# Altium PCB PCB2.PcbDoc (part 2 of 9)
Units mil, origin at the board's own origin, x right, y up, seen from the top; angles counter-clockwise.
Board outline 7580 x 7350 mil, 6 copper layers (Signal 1, Ground 1, 2V5 and 0V6, n2V5 and n0V6, Ground 2, Signal 2), stack 52.268 mil thick; 572 components, 533 nets, 2081 pads, 679 vias.
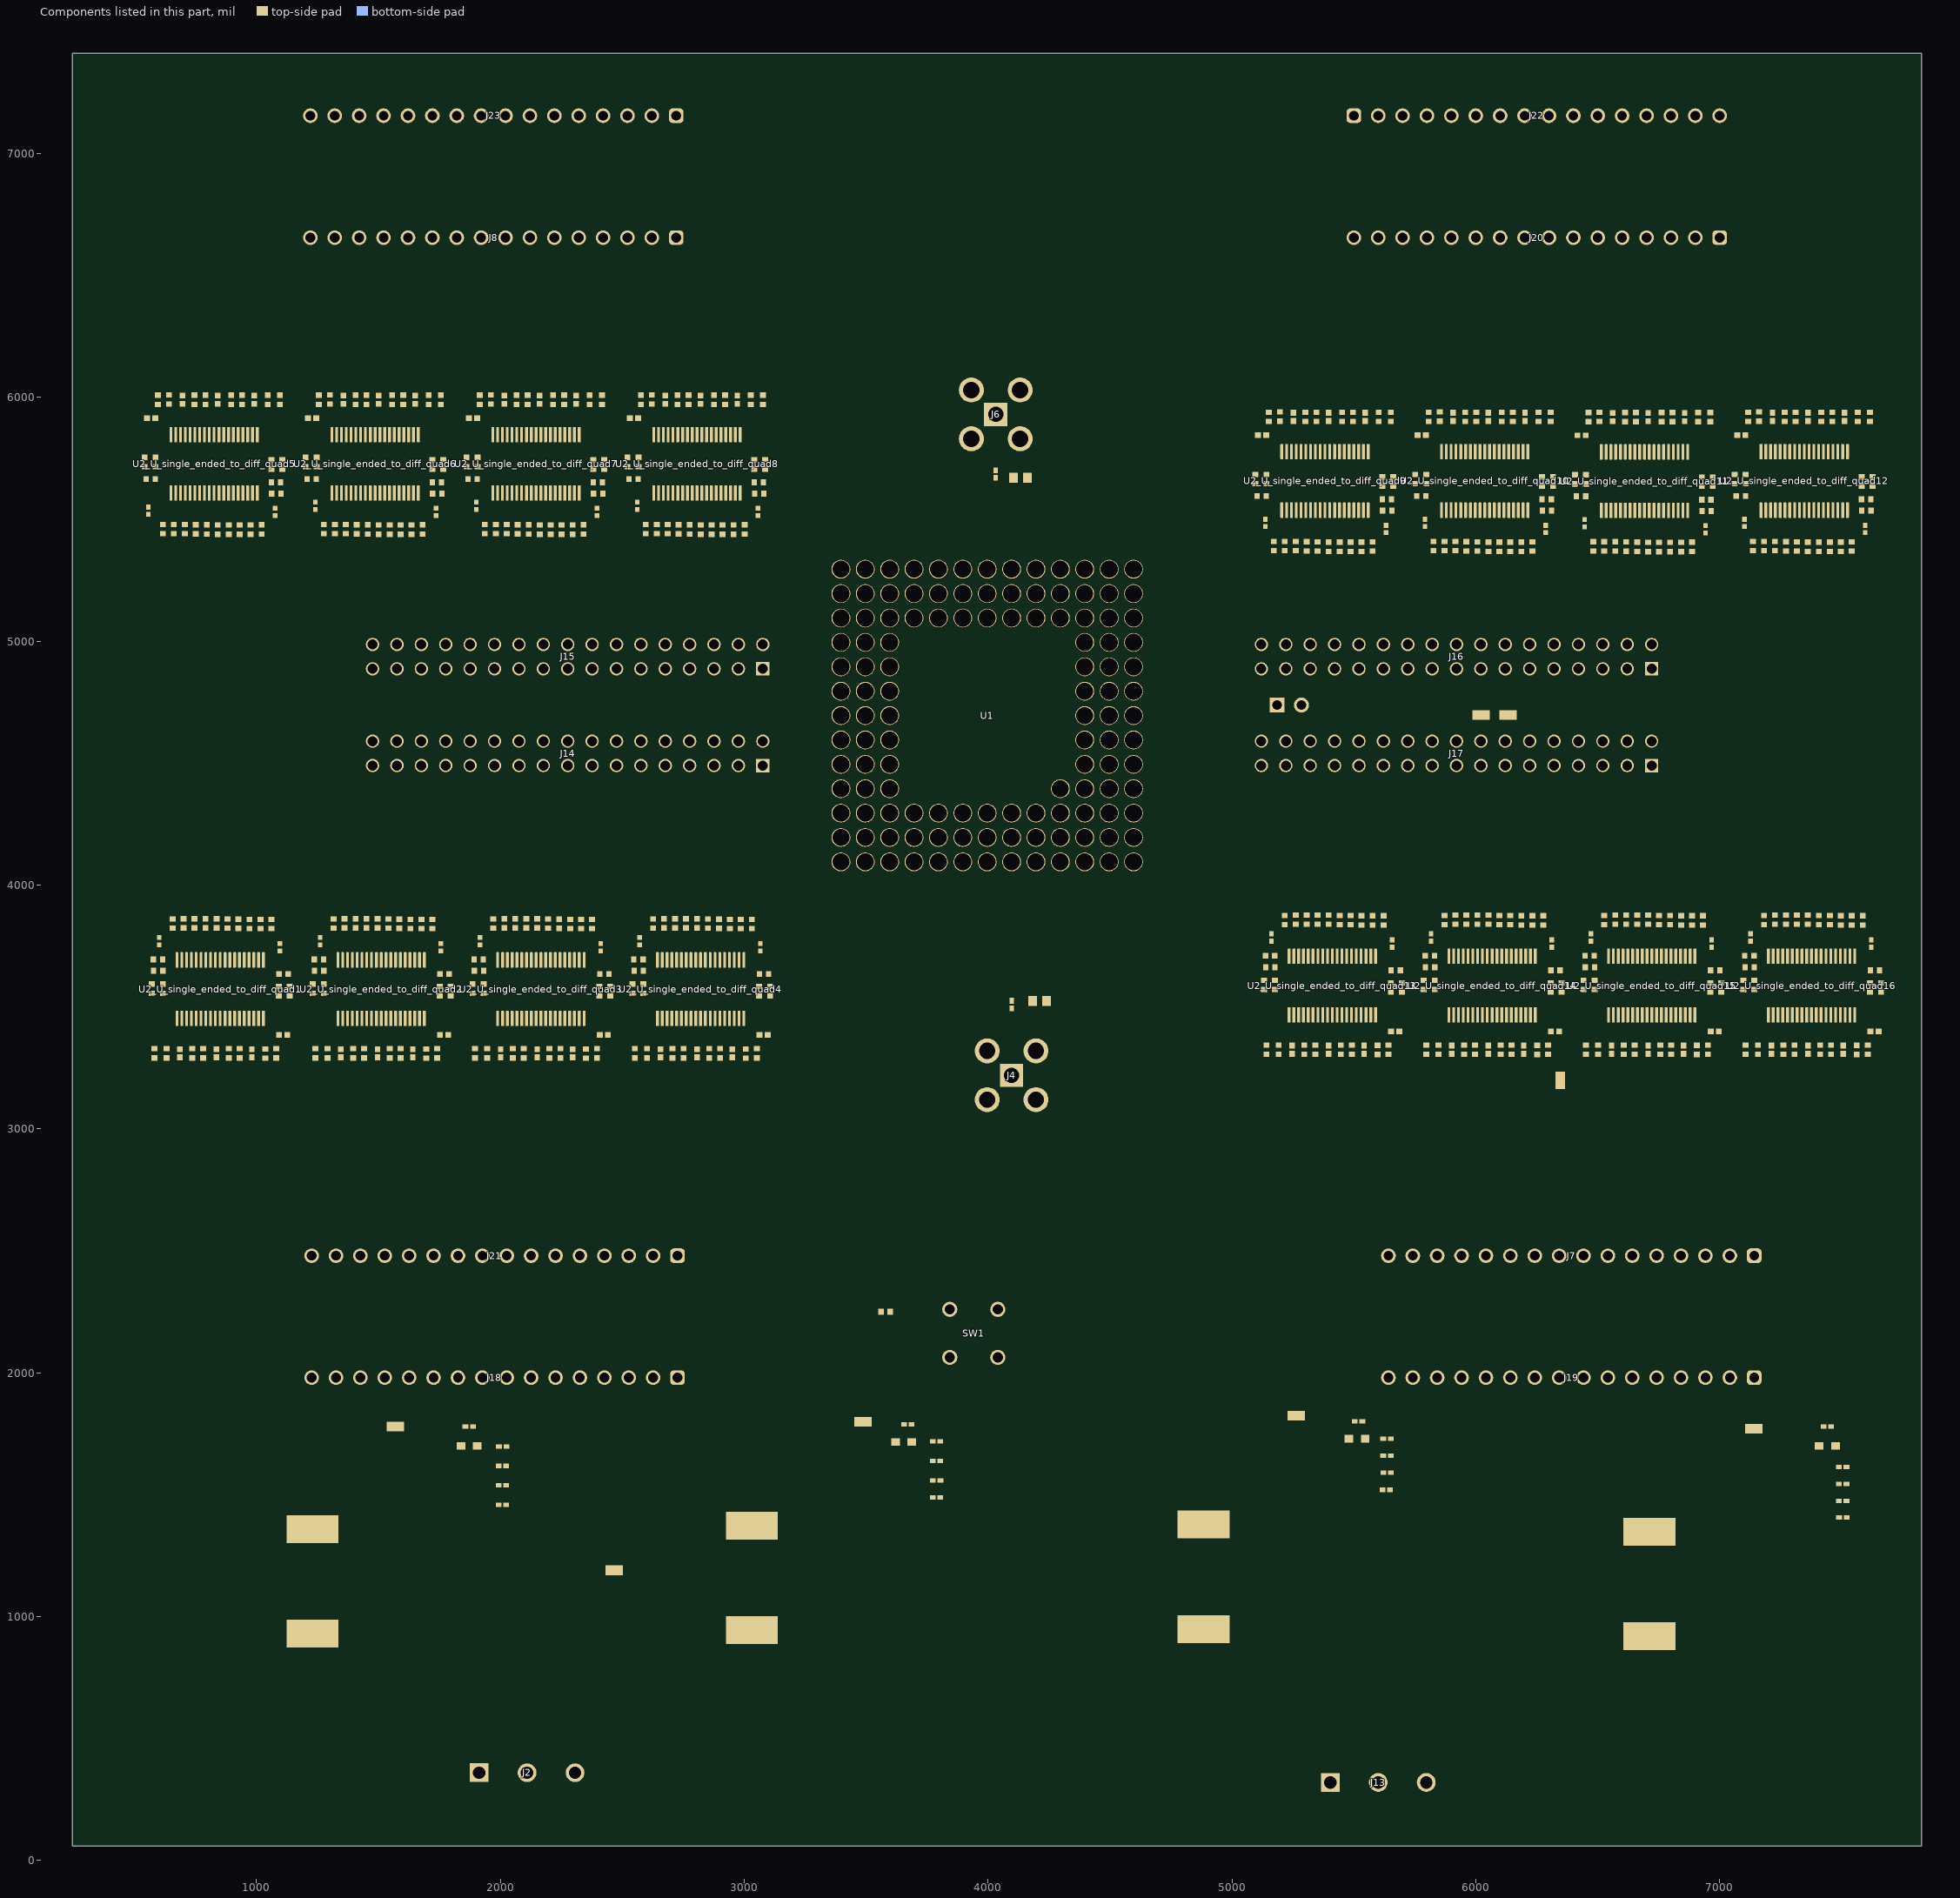
[diagram p6: the components of this part, seen from the top]

## Components (designator, comment, footprint, x,y, rotation, side; value= is the part's Value field where it differs from the comment) (continued)
R10_U_single_ended_to_diff_quad15 "RC0402FR-0749R9L" "Res 0402" 6571.68,3857.8 r270 top (schematic designator R10)
R10_U_single_ended_to_diff_quad16 "RC0402FR-0749R9L" "Res 0402" 7226.68,3857.8 r270 top (schematic designator R10)
R11_U_single_ended_to_diff_quad1 "ERA-2AEB4990X" "Res 0402" 581.68,3310 r90 top (schematic designator R11)
R11_U_single_ended_to_diff_quad2 "ERA-2AEB4990X" "Res 0402" 1241.68,3310 r90 top (schematic designator R11)
R11_U_single_ended_to_diff_quad3 "ERA-2AEB4990X" "Res 0402" 1896.68,3310 r90 top (schematic designator R11)
R11_U_single_ended_to_diff_quad4 "ERA-2AEB4990X" "Res 0402" 2551.68,3310 r90 top (schematic designator R11)
R11_U_single_ended_to_diff_quad5 "ERA-2AEB4990X" "Res 0402" 1096.68,5990 r270 top (schematic designator R11)
R11_U_single_ended_to_diff_quad6 "ERA-2AEB4990X" "Res 0402" 1756.68,5990 r270 top (schematic designator R11)
R11_U_single_ended_to_diff_quad7 "ERA-2AEB4990X" "Res 0402" 2416.68,5990 r270 top (schematic designator R11)
R11_U_single_ended_to_diff_quad8 "ERA-2AEB4990X" "Res 0402" 3076.68,5990 r270 top (schematic designator R11)
R11_U_single_ended_to_diff_quad9 "ERA-2AEB4990X" "Res 0402" 5651.68,5920 r270 top (schematic designator R11)
R11_U_single_ended_to_diff_quad10 "ERA-2AEB4990X" "Res 0402" 6306.68,5920 r270 top (schematic designator R11)
R11_U_single_ended_to_diff_quad11 "ERA-2AEB4990X" "Res 0402" 6961.68,5918.9 r270 top (schematic designator R11)
R11_U_single_ended_to_diff_quad12 "ERA-2AEB4990X" "Res 0402" 7616.68,5920 r270 top (schematic designator R11)
R11_U_single_ended_to_diff_quad13 "ERA-2AEB4990X" "Res 0402" 5141.68,3325 r90 top (schematic designator R11)
R11_U_single_ended_to_diff_quad14 "ERA-2AEB4990X" "Res 0402" 5796.68,3325 r90 top (schematic designator R11)
R11_U_single_ended_to_diff_quad15 "ERA-2AEB4990X" "Res 0402" 6451.68,3325 r90 top (schematic designator R11)
R11_U_single_ended_to_diff_quad16 "ERA-2AEB4990X" "Res 0402" 7106.68,3325 r90 top (schematic designator R11)
R12_U_single_ended_to_diff_quad1 "RC0402FR-0749R9L" "Res 0402" 656.68,3841.69 r270 top (schematic designator R12)
R12_U_single_ended_to_diff_quad2 "RC0402FR-0749R9L" "Res 0402" 1316.68,3841.69 r270 top (schematic designator R12)
R12_U_single_ended_to_diff_quad3 "RC0402FR-0749R9L" "Res 0402" 1971.68,3841.69 r270 top (schematic designator R12)
R12_U_single_ended_to_diff_quad4 "RC0402FR-0749R9L" "Res 0402" 2626.68,3841.69 r270 top (schematic designator R12)
R12_U_single_ended_to_diff_quad5 "RC0402FR-0749R9L" "Res 0402" 1021.68,5458.31 r90 top (schematic designator R12)
R12_U_single_ended_to_diff_quad6 "RC0402FR-0749R9L" "Res 0402" 1681.68,5458.31 r90 top (schematic designator R12)
R12_U_single_ended_to_diff_quad7 "RC0402FR-0749R9L" "Res 0402" 2341.68,5458.31 r90 top (schematic designator R12)
R12_U_single_ended_to_diff_quad8 "RC0402FR-0749R9L" "Res 0402" 3001.68,5458.31 r90 top (schematic designator R12)
R12_U_single_ended_to_diff_quad9 "RC0402FR-0749R9L" "Res 0402" 5576.68,5388.31 r90 top (schematic designator R12)
R12_U_single_ended_to_diff_quad10 "RC0402FR-0749R9L" "Res 0402" 6231.68,5388.31 r90 top (schematic designator R12)
R12_U_single_ended_to_diff_quad11 "RC0402FR-0749R9L" "Res 0402" 6886.68,5387.2 r90 top (schematic designator R12)
R12_U_single_ended_to_diff_quad12 "RC0402FR-0749R9L" "Res 0402" 7541.68,5388.31 r90 top (schematic designator R12)
R12_U_single_ended_to_diff_quad13 "RC0402FR-0749R9L" "Res 0402" 5216.68,3856.69 r270 top (schematic designator R12)
R12_U_single_ended_to_diff_quad14 "RC0402FR-0749R9L" "Res 0402" 5871.68,3856.69 r270 top (schematic designator R12)
R12_U_single_ended_to_diff_quad15 "RC0402FR-0749R9L" "Res 0402" 6526.68,3856.69 r270 top (schematic designator R12)
R12_U_single_ended_to_diff_quad16 "RC0402FR-0749R9L" "Res 0402" 7181.68,3856.69 r270 top (schematic designator R12)
R13_U_single_ended_to_diff_quad1 "ERA-2AEB4990X" "Res 0402" 596.68,3695 r0 top (schematic designator R13)
R13_U_single_ended_to_diff_quad2 "ERA-2AEB4990X" "Res 0402" 1256.68,3695 r0 top (schematic designator R13)
R13_U_single_ended_to_diff_quad3 "ERA-2AEB4990X" "Res 0402" 1911.68,3695 r0 top (schematic designator R13)
R13_U_single_ended_to_diff_quad4 "ERA-2AEB4990X" "Res 0402" 2566.68,3695 r0 top (schematic designator R13)
R13_U_single_ended_to_diff_quad5 "ERA-2AEB4990X" "Res 0402" 1081.68,5605 r180 top (schematic designator R13)
R13_U_single_ended_to_diff_quad6 "ERA-2AEB4990X" "Res 0402" 1741.68,5605 r180 top (schematic designator R13)
R13_U_single_ended_to_diff_quad7 "ERA-2AEB4990X" "Res 0402" 2401.68,5605 r180 top (schematic designator R13)
R13_U_single_ended_to_diff_quad8 "ERA-2AEB4990X" "Res 0402" 3061.68,5605 r180 top (schematic designator R13)
R13_U_single_ended_to_diff_quad9 "ERA-2AEB4990X" "Res 0402" 5636.68,5535 r180 top (schematic designator R13)
R13_U_single_ended_to_diff_quad10 "ERA-2AEB4990X" "Res 0402" 6291.68,5535 r180 top (schematic designator R13)
R13_U_single_ended_to_diff_quad11 "ERA-2AEB4990X" "Res 0402" 6946.68,5533.9 r180 top (schematic designator R13)
R13_U_single_ended_to_diff_quad12 "ERA-2AEB4990X" "Res 0402" 7601.68,5535 r180 top (schematic designator R13)
R13_U_single_ended_to_diff_quad13 "ERA-2AEB4990X" "Res 0402" 5156.68,3710 r0 top (schematic designator R13)
R13_U_single_ended_to_diff_quad14 "ERA-2AEB4990X" "Res 0402" 5811.68,3710 r0 top (schematic designator R13)
R13_U_single_ended_to_diff_quad15 "ERA-2AEB4990X" "Res 0402" 6466.68,3710 r0 top (schematic designator R13)
R13_U_single_ended_to_diff_quad16 "ERA-2AEB4990X" "Res 0402" 7121.68,3710 r0 top (schematic designator R13)
R14_U_single_ended_to_diff_quad1 "ERA-2AEB4990X" "Res 0402" 616.68,3575 r90 top (schematic designator R14)
R14_U_single_ended_to_diff_quad2 "ERA-2AEB4990X" "Res 0402" 1276.68,3575 r90 top (schematic designator R14)
R14_U_single_ended_to_diff_quad3 "ERA-2AEB4990X" "Res 0402" 1931.68,3575 r90 top (schematic designator R14)
R14_U_single_ended_to_diff_quad4 "ERA-2AEB4990X" "Res 0402" 2586.68,3575 r90 top (schematic designator R14)
R14_U_single_ended_to_diff_quad5 "ERA-2AEB4990X" "Res 0402" 1061.68,5725 r270 top (schematic designator R14)
R14_U_single_ended_to_diff_quad6 "ERA-2AEB4990X" "Res 0402" 1721.68,5725 r270 top (schematic designator R14)
R14_U_single_ended_to_diff_quad7 "ERA-2AEB4990X" "Res 0402" 2381.68,5725 r270 top (schematic designator R14)
R14_U_single_ended_to_diff_quad8 "ERA-2AEB4990X" "Res 0402" 3041.68,5725 r270 top (schematic designator R14)
R14_U_single_ended_to_diff_quad9 "ERA-2AEB4990X" "Res 0402" 5616.68,5655 r270 top (schematic designator R14)
R14_U_single_ended_to_diff_quad10 "ERA-2AEB4990X" "Res 0402" 6271.68,5655 r270 top (schematic designator R14)
R14_U_single_ended_to_diff_quad11 "ERA-2AEB4990X" "Res 0402" 6926.68,5653.9 r270 top (schematic designator R14)
R14_U_single_ended_to_diff_quad12 "ERA-2AEB4990X" "Res 0402" 7581.68,5655 r270 top (schematic designator R14)
R14_U_single_ended_to_diff_quad13 "ERA-2AEB4990X" "Res 0402" 5176.68,3590 r90 top (schematic designator R14)
R14_U_single_ended_to_diff_quad14 "ERA-2AEB4990X" "Res 0402" 5831.68,3590 r90 top (schematic designator R14)
R14_U_single_ended_to_diff_quad15 "ERA-2AEB4990X" "Res 0402" 6486.68,3590 r90 top (schematic designator R14)
R14_U_single_ended_to_diff_quad16 "ERA-2AEB4990X" "Res 0402" 7141.68,3590 r90 top (schematic designator R14)
R15_U_single_ended_to_diff_quad1 "ERA-2AEB4990X" "Res 0402" 781.68,3310 r90 top (schematic designator R15)
R15_U_single_ended_to_diff_quad2 "ERA-2AEB4990X" "Res 0402" 1441.68,3310 r90 top (schematic designator R15)
R15_U_single_ended_to_diff_quad3 "ERA-2AEB4990X" "Res 0402" 2096.68,3310 r90 top (schematic designator R15)
R15_U_single_ended_to_diff_quad4 "ERA-2AEB4990X" "Res 0402" 2751.68,3310 r90 top (schematic designator R15)
R15_U_single_ended_to_diff_quad5 "ERA-2AEB4990X" "Res 0402" 896.68,5990 r270 top (schematic designator R15)
R15_U_single_ended_to_diff_quad6 "ERA-2AEB4990X" "Res 0402" 1556.68,5990 r270 top (schematic designator R15)
R15_U_single_ended_to_diff_quad7 "ERA-2AEB4990X" "Res 0402" 2216.68,5990 r270 top (schematic designator R15)
R15_U_single_ended_to_diff_quad8 "ERA-2AEB4990X" "Res 0402" 2876.68,5990 r270 top (schematic designator R15)
R15_U_single_ended_to_diff_quad9 "ERA-2AEB4990X" "Res 0402" 5451.68,5920 r270 top (schematic designator R15)
R15_U_single_ended_to_diff_quad10 "ERA-2AEB4990X" "Res 0402" 6106.68,5920 r270 top (schematic designator R15)
R15_U_single_ended_to_diff_quad11 "ERA-2AEB4990X" "Res 0402" 6761.68,5918.9 r270 top (schematic designator R15)
R15_U_single_ended_to_diff_quad12 "ERA-2AEB4990X" "Res 0402" 7416.68,5920 r270 top (schematic designator R15)
R15_U_single_ended_to_diff_quad13 "ERA-2AEB4990X" "Res 0402" 5341.68,3325 r90 top (schematic designator R15)
R15_U_single_ended_to_diff_quad14 "ERA-2AEB4990X" "Res 0402" 5996.68,3325 r90 top (schematic designator R15)
R15_U_single_ended_to_diff_quad15 "ERA-2AEB4990X" "Res 0402" 6651.68,3325 r90 top (schematic designator R15)
R15_U_single_ended_to_diff_quad16 "ERA-2AEB4990X" "Res 0402" 7306.68,3325 r90 top (schematic designator R15)
R16_U_single_ended_to_diff_quad1 "RC0402FR-0749R9L" "Res 0402" 791.68,3842.8 r270 top (schematic designator R16)
R16_U_single_ended_to_diff_quad2 "RC0402FR-0749R9L" "Res 0402" 1451.68,3842.8 r270 top (schematic designator R16)
R16_U_single_ended_to_diff_quad3 "RC0402FR-0749R9L" "Res 0402" 2106.68,3842.8 r270 top (schematic designator R16)
R16_U_single_ended_to_diff_quad4 "RC0402FR-0749R9L" "Res 0402" 2761.68,3842.8 r270 top (schematic designator R16)
R16_U_single_ended_to_diff_quad5 "RC0402FR-0749R9L" "Res 0402" 886.68,5457.2 r90 top (schematic designator R16)
R16_U_single_ended_to_diff_quad6 "RC0402FR-0749R9L" "Res 0402" 1546.68,5457.2 r90 top (schematic designator R16)
R16_U_single_ended_to_diff_quad7 "RC0402FR-0749R9L" "Res 0402" 2206.68,5457.2 r90 top (schematic designator R16)
R16_U_single_ended_to_diff_quad8 "RC0402FR-0749R9L" "Res 0402" 2866.68,5457.2 r90 top (schematic designator R16)
R16_U_single_ended_to_diff_quad9 "RC0402FR-0749R9L" "Res 0402" 5441.68,5387.2 r90 top (schematic designator R16)
R16_U_single_ended_to_diff_quad10 "RC0402FR-0749R9L" "Res 0402" 6096.68,5387.2 r90 top (schematic designator R16)
R16_U_single_ended_to_diff_quad11 "RC0402FR-0749R9L" "Res 0402" 6751.68,5386.1 r90 top (schematic designator R16)
R16_U_single_ended_to_diff_quad12 "RC0402FR-0749R9L" "Res 0402" 7406.68,5387.2 r90 top (schematic designator R16)
R16_U_single_ended_to_diff_quad13 "RC0402FR-0749R9L" "Res 0402" 5351.68,3857.8 r270 top (schematic designator R16)
R16_U_single_ended_to_diff_quad14 "RC0402FR-0749R9L" "Res 0402" 6006.68,3857.8 r270 top (schematic designator R16)
R16_U_single_ended_to_diff_quad15 "RC0402FR-0749R9L" "Res 0402" 6661.68,3857.8 r270 top (schematic designator R16)
R16_U_single_ended_to_diff_quad16 "RC0402FR-0749R9L" "Res 0402" 7316.68,3857.8 r270 top (schematic designator R16)
R17_U_single_ended_to_diff_quad1 "ERA-2AEB4990X" "Res 0402" 736.68,3310 r90 top (schematic designator R17)
R17_U_single_ended_to_diff_quad2 "ERA-2AEB4990X" "Res 0402" 1396.68,3310 r90 top (schematic designator R17)
R17_U_single_ended_to_diff_quad3 "ERA-2AEB4990X" "Res 0402" 2051.68,3310 r90 top (schematic designator R17)
R17_U_single_ended_to_diff_quad4 "ERA-2AEB4990X" "Res 0402" 2706.68,3310 r90 top (schematic designator R17)
R17_U_single_ended_to_diff_quad5 "ERA-2AEB4990X" "Res 0402" 941.68,5990 r270 top (schematic designator R17)
R17_U_single_ended_to_diff_quad6 "ERA-2AEB4990X" "Res 0402" 1601.68,5990 r270 top (schematic designator R17)
R17_U_single_ended_to_diff_quad7 "ERA-2AEB4990X" "Res 0402" 2261.68,5990 r270 top (schematic designator R17)
R17_U_single_ended_to_diff_quad8 "ERA-2AEB4990X" "Res 0402" 2921.68,5990 r270 top (schematic designator R17)
R17_U_single_ended_to_diff_quad9 "ERA-2AEB4990X" "Res 0402" 5496.68,5920 r270 top (schematic designator R17)
R17_U_single_ended_to_diff_quad10 "ERA-2AEB4990X" "Res 0402" 6151.68,5920 r270 top (schematic designator R17)
R17_U_single_ended_to_diff_quad11 "ERA-2AEB4990X" "Res 0402" 6806.68,5918.9 r270 top (schematic designator R17)
R17_U_single_ended_to_diff_quad12 "ERA-2AEB4990X" "Res 0402" 7461.68,5920 r270 top (schematic designator R17)
R17_U_single_ended_to_diff_quad13 "ERA-2AEB4990X" "Res 0402" 5296.68,3325 r90 top (schematic designator R17)
R17_U_single_ended_to_diff_quad14 "ERA-2AEB4990X" "Res 0402" 5951.68,3325 r90 top (schematic designator R17)
R17_U_single_ended_to_diff_quad15 "ERA-2AEB4990X" "Res 0402" 6606.68,3325 r90 top (schematic designator R17)
R17_U_single_ended_to_diff_quad16 "ERA-2AEB4990X" "Res 0402" 7261.68,3325 r90 top (schematic designator R17)
R18_U_single_ended_to_diff_quad1 "RC0402FR-0749R9L" "Res 0402" 746.68,3842.8 r270 top (schematic designator R18)
R18_U_single_ended_to_diff_quad2 "RC0402FR-0749R9L" "Res 0402" 1406.68,3842.8 r270 top (schematic designator R18)
R18_U_single_ended_to_diff_quad3 "RC0402FR-0749R9L" "Res 0402" 2061.68,3842.8 r270 top (schematic designator R18)
R18_U_single_ended_to_diff_quad4 "RC0402FR-0749R9L" "Res 0402" 2716.68,3842.8 r270 top (schematic designator R18)
R18_U_single_ended_to_diff_quad5 "RC0402FR-0749R9L" "Res 0402" 931.68,5457.2 r90 top (schematic designator R18)
R18_U_single_ended_to_diff_quad6 "RC0402FR-0749R9L" "Res 0402" 1591.68,5457.2 r90 top (schematic designator R18)
R18_U_single_ended_to_diff_quad7 "RC0402FR-0749R9L" "Res 0402" 2251.68,5457.2 r90 top (schematic designator R18)
R18_U_single_ended_to_diff_quad8 "RC0402FR-0749R9L" "Res 0402" 2911.68,5457.2 r90 top (schematic designator R18)
R18_U_single_ended_to_diff_quad9 "RC0402FR-0749R9L" "Res 0402" 5486.68,5387.2 r90 top (schematic designator R18)
R18_U_single_ended_to_diff_quad10 "RC0402FR-0749R9L" "Res 0402" 6141.68,5387.2 r90 top (schematic designator R18)
R18_U_single_ended_to_diff_quad11 "RC0402FR-0749R9L" "Res 0402" 6796.68,5386.1 r90 top (schematic designator R18)
R18_U_single_ended_to_diff_quad12 "RC0402FR-0749R9L" "Res 0402" 7451.68,5387.2 r90 top (schematic designator R18)
R18_U_single_ended_to_diff_quad13 "RC0402FR-0749R9L" "Res 0402" 5306.68,3857.8 r270 top (schematic designator R18)
R18_U_single_ended_to_diff_quad14 "RC0402FR-0749R9L" "Res 0402" 5961.68,3857.8 r270 top (schematic designator R18)
R18_U_single_ended_to_diff_quad15 "RC0402FR-0749R9L" "Res 0402" 6616.68,3857.8 r270 top (schematic designator R18)
R18_U_single_ended_to_diff_quad16 "RC0402FR-0749R9L" "Res 0402" 7271.68,3857.8 r270 top (schematic designator R18)
R19_U_single_ended_to_diff_quad1 "ERA-2AEB4990X" "Res 0402" 571.68,3575 r90 top (schematic designator R19)
R19_U_single_ended_to_diff_quad2 "ERA-2AEB4990X" "Res 0402" 1231.68,3575 r90 top (schematic designator R19)
R19_U_single_ended_to_diff_quad3 "ERA-2AEB4990X" "Res 0402" 1886.68,3575 r90 top (schematic designator R19)
R19_U_single_ended_to_diff_quad4 "ERA-2AEB4990X" "Res 0402" 2541.68,3575 r90 top (schematic designator R19)
R19_U_single_ended_to_diff_quad5 "ERA-2AEB4990X" "Res 0402" 1106.68,5725 r270 top (schematic designator R19)
R19_U_single_ended_to_diff_quad6 "ERA-2AEB4990X" "Res 0402" 1766.68,5725 r270 top (schematic designator R19)
R19_U_single_ended_to_diff_quad7 "ERA-2AEB4990X" "Res 0402" 2426.68,5725 r270 top (schematic designator R19)
R19_U_single_ended_to_diff_quad8 "ERA-2AEB4990X" "Res 0402" 3086.68,5725 r270 top (schematic designator R19)
R19_U_single_ended_to_diff_quad9 "ERA-2AEB4990X" "Res 0402" 5661.68,5655 r270 top (schematic designator R19)
R19_U_single_ended_to_diff_quad10 "ERA-2AEB4990X" "Res 0402" 6316.68,5655 r270 top (schematic designator R19)
R19_U_single_ended_to_diff_quad11 "ERA-2AEB4990X" "Res 0402" 6971.68,5653.9 r270 top (schematic designator R19)
R19_U_single_ended_to_diff_quad12 "ERA-2AEB4990X" "Res 0402" 7626.68,5655 r270 top (schematic designator R19)
R19_U_single_ended_to_diff_quad13 "ERA-2AEB4990X" "Res 0402" 5131.68,3590 r90 top (schematic designator R19)
R19_U_single_ended_to_diff_quad14 "ERA-2AEB4990X" "Res 0402" 5786.68,3590 r90 top (schematic designator R19)
R19_U_single_ended_to_diff_quad15 "ERA-2AEB4990X" "Res 0402" 6441.68,3590 r90 top (schematic designator R19)
R19_U_single_ended_to_diff_quad16 "ERA-2AEB4990X" "Res 0402" 7096.68,3590 r90 top (schematic designator R19)
R20_U_single_ended_to_diff_quad1 "ERA-2AEB4990X" "Res 0402" 1091.68,3565 r90 top (schematic designator R20)
R20_U_single_ended_to_diff_quad2 "ERA-2AEB4990X" "Res 0402" 1751.68,3565 r90 top (schematic designator R20)
R20_U_single_ended_to_diff_quad3 "ERA-2AEB4990X" "Res 0402" 2406.68,3565 r90 top (schematic designator R20)
R20_U_single_ended_to_diff_quad4 "ERA-2AEB4990X" "Res 0402" 3061.68,3565 r90 top (schematic designator R20)
R20_U_single_ended_to_diff_quad5 "ERA-2AEB4990X" "Res 0402" 586.68,5735 r270 top (schematic designator R20)
R20_U_single_ended_to_diff_quad6 "ERA-2AEB4990X" "Res 0402" 1246.68,5735 r270 top (schematic designator R20)
R20_U_single_ended_to_diff_quad7 "ERA-2AEB4990X" "Res 0402" 1906.68,5735 r270 top (schematic designator R20)
R20_U_single_ended_to_diff_quad8 "ERA-2AEB4990X" "Res 0402" 2566.68,5735 r270 top (schematic designator R20)
R20_U_single_ended_to_diff_quad9 "ERA-2AEB4990X" "Res 0402" 5141.68,5665 r270 top (schematic designator R20)
R20_U_single_ended_to_diff_quad10 "ERA-2AEB4990X" "Res 0402" 5796.68,5665 r270 top (schematic designator R20)
R20_U_single_ended_to_diff_quad11 "ERA-2AEB4990X" "Res 0402" 6451.68,5663.9 r270 top (schematic designator R20)
R20_U_single_ended_to_diff_quad12 "ERA-2AEB4990X" "Res 0402" 7106.68,5665 r270 top (schematic designator R20)
R20_U_single_ended_to_diff_quad13 "ERA-2AEB4990X" "Res 0402" 5651.68,3580 r90 top (schematic designator R20)
R20_U_single_ended_to_diff_quad14 "ERA-2AEB4990X" "Res 0402" 6306.68,3580 r90 top (schematic designator R20)
R20_U_single_ended_to_diff_quad15 "ERA-2AEB4990X" "Res 0402" 6961.68,3580 r90 top (schematic designator R20)
R20_U_single_ended_to_diff_quad16 "ERA-2AEB4990X" "Res 0402" 7616.68,3580 r90 top (schematic designator R20)
R21_U_single_ended_to_diff_quad1 "ERA-2AEB4990X" "Res 0402" 931.68,3310 r90 top (schematic designator R21)
R21_U_single_ended_to_diff_quad2 "ERA-2AEB4990X" "Res 0402" 1591.68,3310 r90 top (schematic designator R21)
R21_U_single_ended_to_diff_quad3 "ERA-2AEB4990X" "Res 0402" 2246.68,3310 r90 top (schematic designator R21)
R21_U_single_ended_to_diff_quad4 "ERA-2AEB4990X" "Res 0402" 2901.68,3310 r90 top (schematic designator R21)
R21_U_single_ended_to_diff_quad5 "ERA-2AEB4990X" "Res 0402" 746.68,5990 r270 top (schematic designator R21)
R21_U_single_ended_to_diff_quad6 "ERA-2AEB4990X" "Res 0402" 1406.68,5990 r270 top (schematic designator R21)
R21_U_single_ended_to_diff_quad7 "ERA-2AEB4990X" "Res 0402" 2066.68,5990 r270 top (schematic designator R21)
R21_U_single_ended_to_diff_quad8 "ERA-2AEB4990X" "Res 0402" 2726.68,5990 r270 top (schematic designator R21)
R21_U_single_ended_to_diff_quad9 "ERA-2AEB4990X" "Res 0402" 5301.68,5920 r270 top (schematic designator R21)
R21_U_single_ended_to_diff_quad10 "ERA-2AEB4990X" "Res 0402" 5956.68,5920 r270 top (schematic designator R21)
R21_U_single_ended_to_diff_quad11 "ERA-2AEB4990X" "Res 0402" 6611.68,5918.9 r270 top (schematic designator R21)
R21_U_single_ended_to_diff_quad12 "ERA-2AEB4990X" "Res 0402" 7266.68,5920 r270 top (schematic designator R21)
R21_U_single_ended_to_diff_quad13 "ERA-2AEB4990X" "Res 0402" 5491.68,3325 r90 top (schematic designator R21)
R21_U_single_ended_to_diff_quad14 "ERA-2AEB4990X" "Res 0402" 6146.68,3325 r90 top (schematic designator R21)
R21_U_single_ended_to_diff_quad15 "ERA-2AEB4990X" "Res 0402" 6801.68,3325 r90 top (schematic designator R21)
R21_U_single_ended_to_diff_quad16 "ERA-2AEB4990X" "Res 0402" 7456.68,3325 r90 top (schematic designator R21)